# Altium PCB galileo_cleaned.PcbDoc (part 4 of 10) (continued)
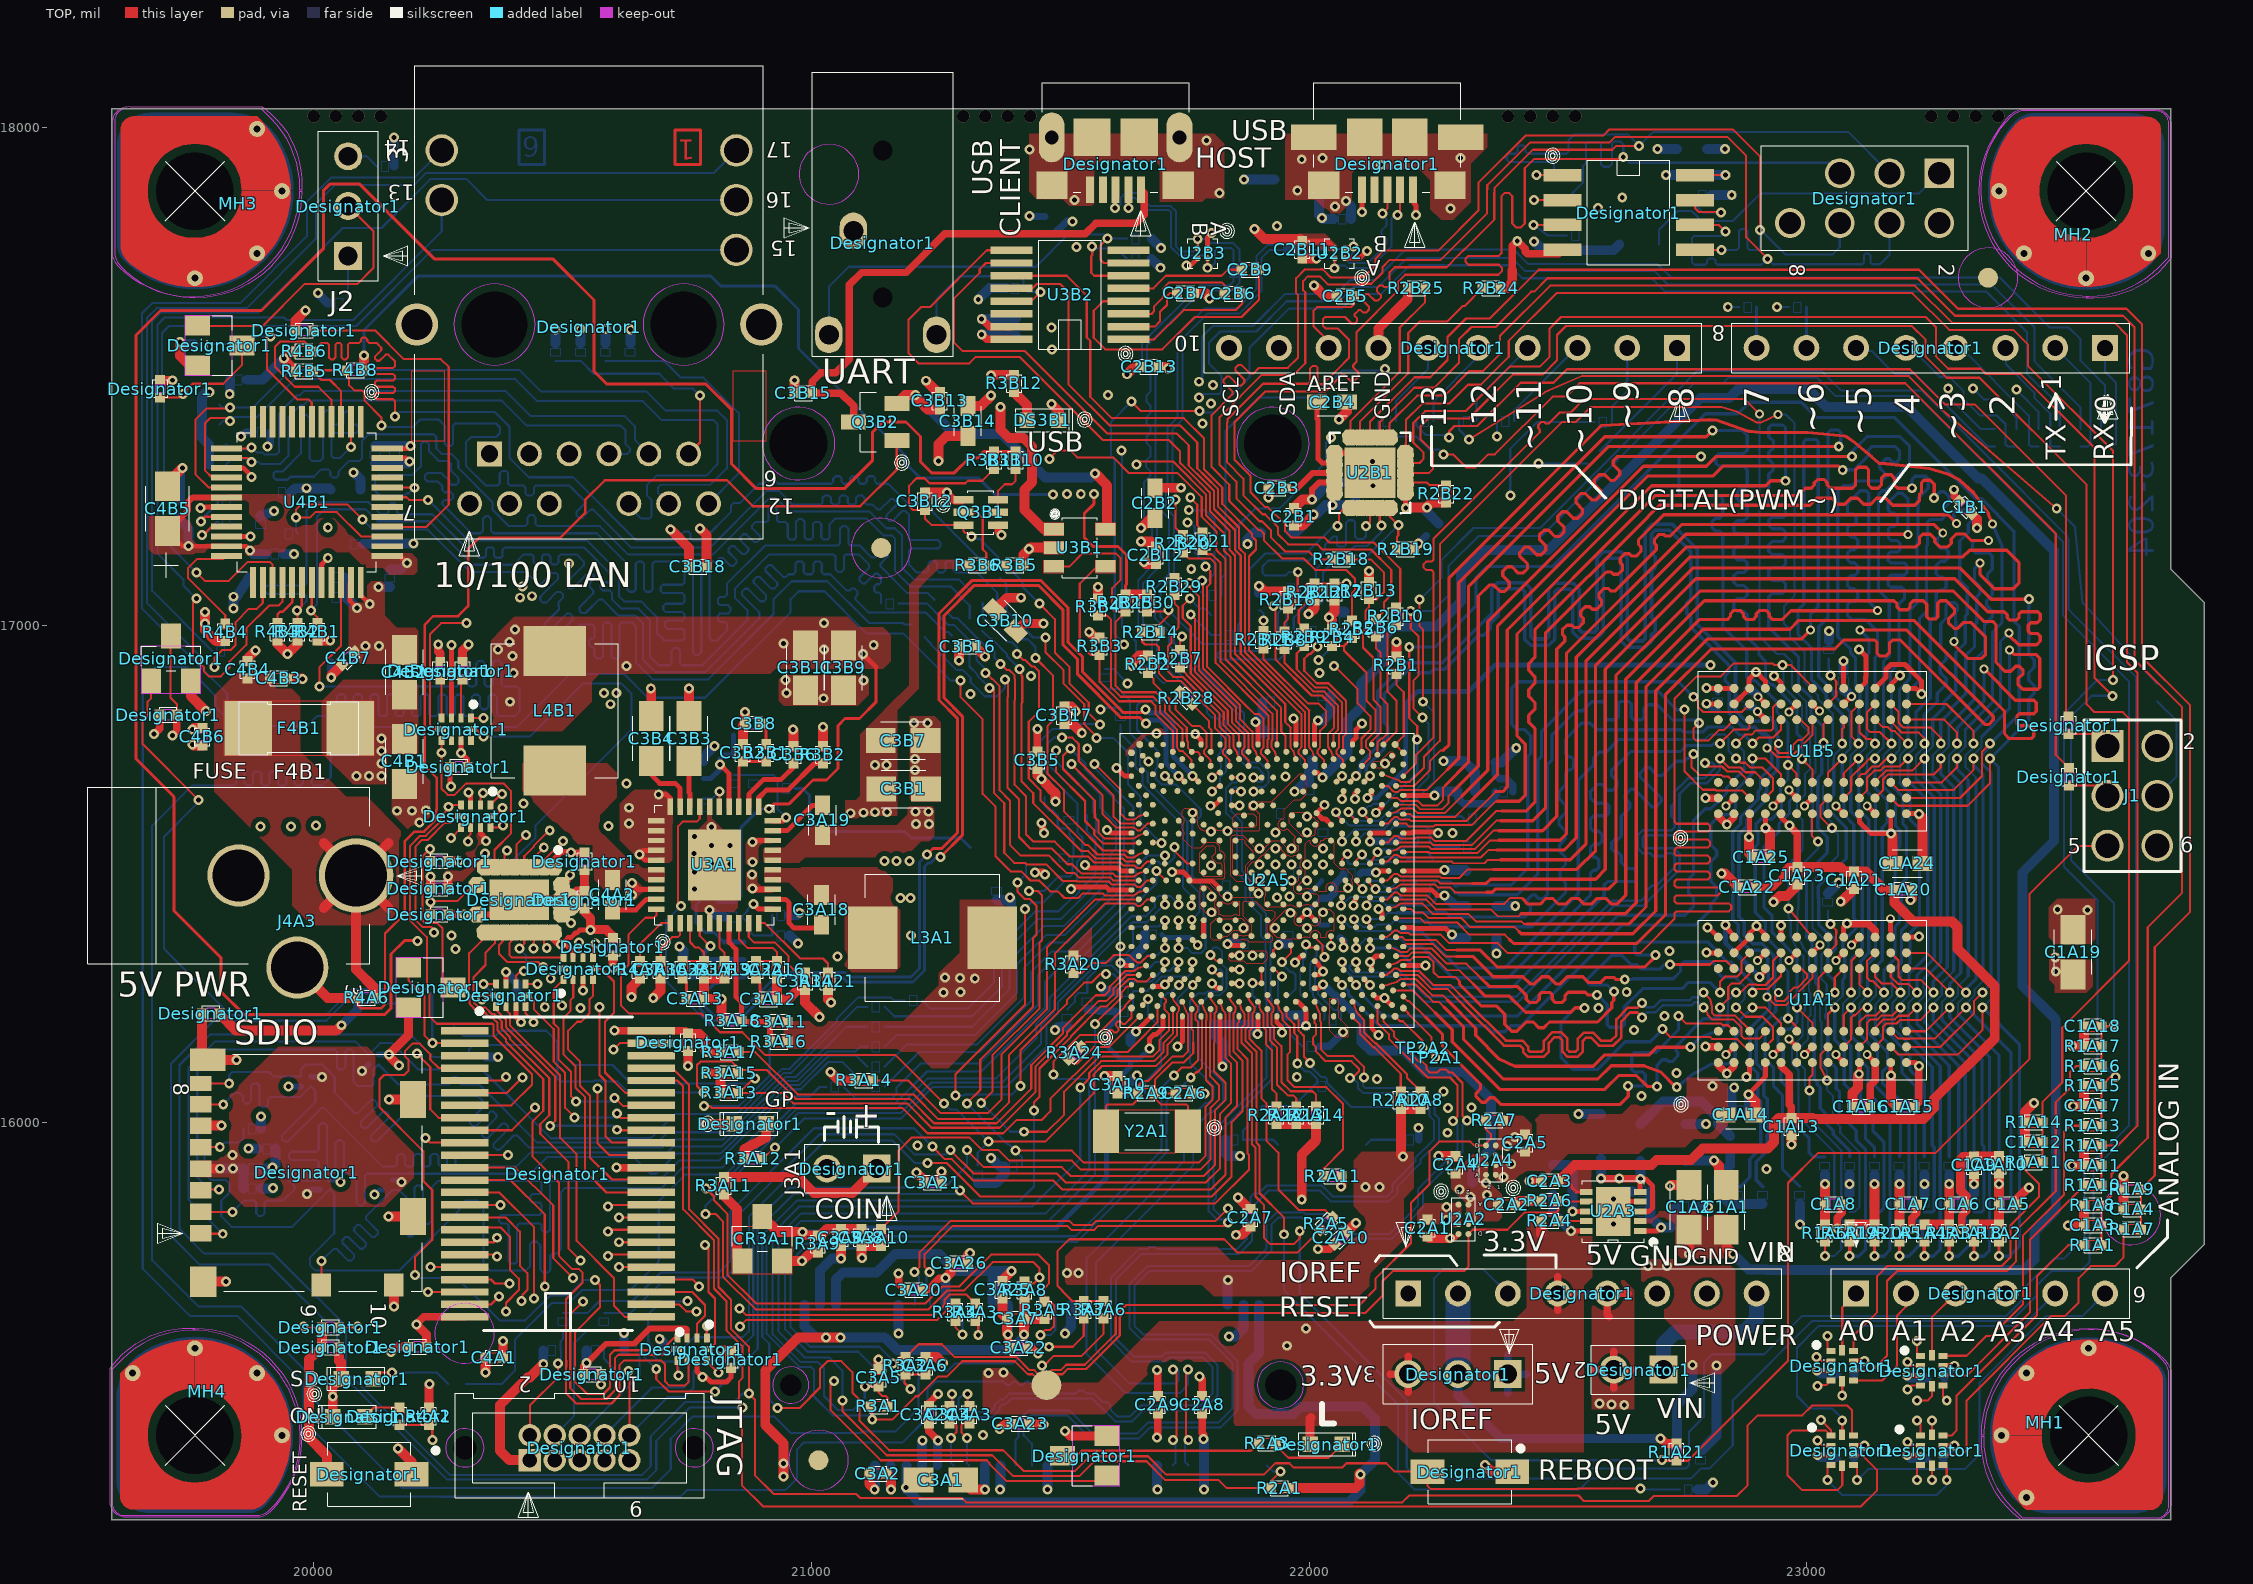
[diagram p0: TOP view]
## Nets (pads, with @x,y where several pads share a name; then routed paths per layer and width w, separated by ;. In a path a pad name is that pad's centre, name@x,y a point inside that pad or via, vN(x,y) a via of type N, cw(c..) or ccw(c..) an arc to the next point about the centre after c; other vN are vias at no path point) (continued)
  BOTTOM w10: v1(20122.19,15855.81) 20131.54,15865.16 U1L4.A1@20138.16,15865.16 ; v1(22798,16842) 22811,16829 C4M3.2@22821,16829
  BOTTOM w12: v1(19949,16073) U1L3.A1@19974.16,16073.16 ; U1L1.A1@20031.84,15885.84 20049.16,15885.84 v1(20054,15881) ; U1L2.A1@20129.84,16136.84 v1(20150.84,16136.84)
  BOTTOM w15: v1(19907,17359) 19912,17364 C1M13.2@19912,17388 ; C2M10.2@21469,17786 21488,17786 21513,17811 v1(21524,17811) ; v1(21970,16666) 21989,16685 C3M2.2@22000,16685 ; R3L13.2@22021,16154 22040,16154 v1(22068,16182) ; C3L14.2@22062.75,16372.25 22069,16366 v1(22069,16352) ; C3L21.2@22103,16500 22106,16503 v1(22134,16503) ; v1(22122.2,16565) 22127.59,16565 22128.09,16565.5 22175.5,16565.5 R3L6.2@22184,16574 ; C3L6.2@22220,15966 v1(22220,15990) ; v1(22220,17164) C3M13.2@22235.25,17179.25 ; C3M4.2@22374,16724 22374,16700 22382.99,16691.01 22395.99,16691.01 22409,16678 C3M3.2@22409,16665 ; C4M2.2@22880,16871 22882.5,16868.5 22893.11,16868.5 22902,16859.61 v2(22902,16856)
  BOTTOM w18: R9.2@20161,17922 v1(20161,17980) ; 21253.57,15311.58 21253.57,15361.57 v1(21254,15362) ; v1(23020,15502.16) 23021.16,15502.16 23028.31,15495 23060,15495 ; v1(23021.16,15332.16) 23026.31,15327 23060,15327 ; v1(23201.16,15332.16) 23208.31,15325 23239,15325 ; v1(23201.16,15492.16) 23206.31,15487 23241,15487
  BOTTOM w20: C1M3.2@19731,17251.5 19731,17311 v1(19736,17316) ; v1(19731,17569) 19735,17565 R1M12.2@19759,17565 ; C1M14.2@19866,17493 19897,17493 v1(19940,17536) ; C1L1.2@19894,15868 19917,15868 v1(19918,15869) ; C1L2.2@19894,15908 19915,15908 v1(19917,15910) 19923,15916 C1L3.2@19923,15948 ; R1L11.2@19894,15988 v1(19894,16013) ; C1M5.2@19939,17143 v1(19960,17143) ; C1M2.2@20062,17096 C1M1.2@20062,17056 20065,17056 v1(20087,17034) ; v1(20080,17307) 20094,17293 R1M6.1@20094,17272 ; C1M6.2@20099,17163 20114,17164 v1(20200,17164) ; C1M9.2@20123,17325 C1M10.2@20163,17325 20188,17325 v1(20192,17329) ; v1(20130,17077) C1M4.2@20153,17077 ; C1M11.2@20536,17566 v1(20536,17595) ; v1(20548,15517) R1L2.2@20548,15543 ; C1M12.2@20586,17566 v1(20586,17595) ; v1(20735,16354) 20743,16346 C2L2.2@20743,16328 ; R2M6.2@20783,16727 20783,16735 v1(20805,16757) ; v1(20795,16428) 20814,16414 C2L7.2@20825,16414 ; R2L16.2@20956,16376 20957,16376 v1(20973,16360) ; 21017.35,15634.42 21017.35,15703.44 21040.91,15727 v1(21059,15727) ; v1(21127,15263) 21127.59,15263.59 21127.59,15311.58 ; 21174.83,15634.42 21174.83,15577.17 v1(21175,15577) ; 21222.08,15311.58 21222.08,15361.08 v1(21223,15362) ; v1(21269,15688) 21269.32,15687.68 21269.32,15634.42 ; R2L3.2@21334,15879 21371,15879 21388,15896 R2L2.2@21388,15912 21378,15912 v1(21361,15929) ; v1(21335,17654) 21358,17677 C2M8.2@21391,17677 ; v1(21342,17615) 21385,17615 21386,17616 C2M4.2@21411,17616 ; 21348.06,15311.58 21348.06,15263.94 v1(21349,15263) ; C2L10.2@21372,16448 21394,16448 v1(21399,16453) 21401,16451 21401,16421 C2L5.2@21386,16406 ; v1(21379,15263) 21379.56,15263.56 21379.56,15311.58 ; v1(21395,15575) 21395.31,15575.31 21395.31,15634.42 ; v1(21474,15263) v1(21474,15263) 21474.05,15311.58 ; v1(21489,16186) 21496,16193 R2L11.2@21514,16193 ; v1(21509,15577) 21521.3,15589.3 21521.3,15634.41 ; v1(21581.45,16273.9) 21591.35,16264 C2L1.2@21611,16264 ; v1(21621,16321) 21634.77,16321 21669,16355.23 C3L13.2@21669,16378 ; C3L8.2@21641,16161 21641,16172 v1(21652,16183) ; C2M2.2@21683.32,17735.68 v1(21701,17718) ; C2M9.2@21684.32,17775.68 v1(21702,17758) ; 21694.52,15311.58 21694.52,15263.48 v1(21695,15263) ; v1(21788,15365) 21789.01,15363.99 21789.01,15311.58 ; v1(21789,15263) 21789,15311.57 ; v1(21826,16113) 21826,16160 21812,16174 C3L9.2@21812,16197 C3L10.2@21852,16197 R3L3.2@21893,16197 21893,16181 v1(21896,16178) ; C3L5.2@21832,15966 21832,15938 21837,15933 v1(21861,15933) ; v1(21839,15571) 21852,15571 21867.8,15586.8 21867.75,15586.85 21867.75,15634.42 ; v1(21869,17895) C3M11.2@21930,17895 ; v1(21876,17163) 21876,17173 21889,17186 C3M9.2@21903,17186 ; C3M7.2@21906,16846 21906,16819 v1(21892,16805) 21907,16790 C3M6.2@21907,16782 ; R3L14.2@21955,16216 R3L10.2@21989,16216 21989,16200 v1(21994,16195) ; C3M2.2@22000,16685 22000,16705 22008,16713 C3M5.2@22008,16730 ; v1(22006,17252) 22040,17286 C3M10.2@22093,17286 ; v1(22018,16808) 22027,16808 22043,16824 C3M8.2@22043,16859 ; v1(22040,17015) 22052,17027 R3M7.2@22071,17027 ; v1(22074,17852) 22084,17842 C3M12.2@22084,17816 ; C3M4.2@22374,16724 22386.36,16724 22398.69,16736.33 v1(22416,16753) ; v1(22376,16340) C3L12.2@22376,16371 ; C3L16.2@22376,16436 v1(22414,16436) ; C3L2.2@22490,15915 22520,15915 22529,15906 v1(22529,15822) ; v1(22541,16018) C3L4.2@22586,16018 ; v1(22611,15797) 22636,15822 C3L1.2@22651,15822 ; v1(22611,15847) 22626,15862 R3L1.2@22651,15862 ; v1(22700,17957) C4M6.2@22739,17957 ; v1(22717,17904) C4M5.2@22746,17904 ; C3L3.2@22756,15923 22757,15924 v1(22813,15924) ; C3L7.2@22756,15998 v1(22797,15998) ; C4L1.2@22780,15263 22797,15263 v1(22811,15277) ; v1(22883,16057) 22883.4,16056.6 22883.4,16042.03 22884,16041.43 C4L3.2@22884,16024 ; R4L19.1@23042,16461 v1(23064,16483) ; R4M1.1@23044,16968 v1(23044,16988) ; C4M4.1@23074,16905 v1(23074,16928)
  other v1: 21345,15373 22919,15907 22397,15953 21213,15954 22413,15971 22278,15980 22279,16030 22326,16031 22668,16054 22270,16063 22136,16088 21975,16092 22738,16100 22061,16108 22653,16186 22714,16215 22581,16231 22638,16263 21052,16334 21860.33,16336.26 21886.33,16336.26 22724,16345 21621,16354 21200,16376 21836,16391 21868,16391 21931,16391 21996,16391 21962,16422 22028,16423 23564,16428 23504,16429 21179,16452 21199,16452 21836,16455 21898,16461 20765,16470 22078,16471.7 21996,16487 20765,16504 21932,16519 21996,16519 22028,16519 20836,16520 20799,16521 21147,16526 21171,16526 21197,16526 20764,16541 21900,16551 21964,16551 22028,16551 20799,16557 20836,16557 20765,16575 22288,16582 21932,16583 21803,16585 21836,16586 20799,16594 20633,16601 20212,16603 21765.8,16623 20167,16627 20197,16627 20225,16628 20633,16633 21888.33,16637.74 21709.8,16696.91 21208,16709 22152,16722 21677,16726 21208,16731 21554,16752 21693,16782 21206,16803 21233,16803 21024,16853 21319,16862 20950,16864 21104,16889 20948,16890 21441,16898 22021,16904 20104,16958 20131,16958 20414,17055 20438,17058 20419,17078 21763,17113 20513,17124 22128,17280 22127,17329 21786,17405 21803,17445 21596,17462 21807,17482 21532,17760 21935,17802 22284,17837 22052,17841 21528,17854 21820,17868 21976,17873 22144,17925 21985,17936 22027,17939 22304,17939 21438,17956 21794,17974
GP_LED: R3A12.1 | length 96.6
  TOP w20: R3A12.1@20865,15928 20865,15947.16 20909,15970.16 20909,15998
GPIO1_R: R2B29.2 U2A5.N34 | length 388.9
  TOP w4: 21820,16811 21820,16795.29 21839.98,16775.31 U2A5.N34@21839.98,16745.41
  TOP w4.2: R2B29.2@21729,17060 21729,17044 21737,17036 21737,16995 21723,16981 21723,16964 21716,16957 21716,16907 21726.9,16896.1 21745.5,16896.1 21820,16821.6 21820,16811
GPIO3_R: R3M13.2 U2A5.R35 | length 402.3
  TOP w4: 21836.4,16811 21836.4,16801.54 21858.97,16778.97 21858.97,16771.82 U2A5.R35@21858.99,16760.07
  TOP w4.2: v1(21760,17053) 21745.9,17038.9 21745.9,17014.33 21762,16998.23 21762,16902.8 21836.4,16828.4 21836.4,16811
  BOTTOM w4.2: v1(21760,17053) 21780,17033 21790,17033 R3M13.2@21803,17020
GPIO_INT_IO2: R3M10.1 | length 2597.9
  TOP w4.2: 20317,16791 20326,16791 v1(20341,16776) ; 20344.1,16513.5 v1(20344.1,16541)
  LYR_2 w6.5: v1(20341,16776) 20368,16803 20434,16803 20617,16986 20885,16986 21069,17170 21285,17170 21326,17211 21584,17211 21604,17231 v1(21758,17231)
  BOTTOM w4.2: v1(20341,16776) 20434,16776 20541,16883 20617.67,16883 20638,16862.67 20638,16790 20445,16597 20445,16572 20401,16528 20357.1,16528 v1(20344.1,16541) ; v1(21758,17231) 21759,17230 21792,17230 21810,17212 R3M10.1@21810,17182
GPIO_INT_IO2_R: R3M10.2 U2A5.U33 | length 477.6
  TOP w4: 21861,16817 21861,16810.9 21885.99,16785.91 21885.99,16755.33 21888.84,16750.7 21892.04,16746.7 U2A5.U33@21897,16730.74
  TOP w4.2: v1(21785,17090) 21786.6,17088.4 21786.6,16913 21861,16838.6 21861,16817
  BOTTOM w4.2: v1(21785,17090) 21796,17090 21810,17104 R3M10.2@21810,17147
GPIO_INT_IO3: R3M14.1 | length 2177.4
  TOP w4.2: 20256.47,16768.5 v1(20256.47,16743.53) 20256.47,16671.53 20269,16659 20283,16659 20306,16682 20381,16682 20396,16667 20396,16636.77 20395.9,16636.67 20395.9,16623.33 20396,16623.23 20396,16581 20363,16548 20363,16514.29 20363.79,16513.5
  LYR_2 w6.5: v1(20256.47,16743.53) 20256,16743.06 20277.06,16722 20383,16722 20620,16959 20878,16959 21044,17125 21531,17125 21622,17216 21692,17216 21702,17206 v1(21755,17206)
  BOTTOM w4.2: v1(21755,17206) 21761.8,17206 21770,17197.8 R3M14.1@21770,17181
GPIO_INT_IO3_R: R3M14.2 U2A5.V32 | length 504
  TOP w4: 21878.1,16833.1 21890.2,16821 21899.63,16821 21908,16812.63 21908,16754.83 21907.94,16754.75 21905.14,16750.95 21902.74,16748.31 21902.74,16742.01 21905.89,16738.86 21907.1,16737.3 21916,16728.4 U2A5.V32@21916,16717.18
  TOP w4.2: v1(21792,17118) 21801.1,17108.9 21801.1,17083.33 21794.8,17077.03 21794.8,16916.4 21878.1,16833.1
  BOTTOM w4.2: R3M14.2@21770,17146 21792,17124 v1(21792,17118)
GPIO_SUS1_STATUS_LED: R3A12.2 U2A5.E12 | length 1078.8
  TOP w4.2: R3A12.2@20900,15928 v1(20927,15950) ; U2A5.E12@21709.8,16393 v1(21709.8,16406.8)
  BOTTOM w4.2: v1(20927,15950) 20986,16009 21180.6,16009 21243.6,16072 21391.01,16072 21472,16152.99 21472,16196 21495,16219 21495,16241.6 21577.6,16324.2 21600.2,16324.2 21613.9,16337.9 21627.67,16337.9 21627.77,16338 21629,16338 21646,16355 21646,16388.7 21652,16394.7 21697.7,16394.7 v1(21709.8,16406.8)
GPIO_SUS3_PCIE_RESET_N: R3A8.2 U2A5.E15 | length 2209.4
  TOP w4: v1(21709.8,16439) U2A5.E15@21709.8,16453
  TOP w4.2: v1(20787,15817) 20807,15817 20822,15802 20822,15691 20888,15625 21235,15625 21273.2,15663.2 21307.2,15663.2 21364,15720 21446,15720 21458,15708 v1(21458,15689) 21445.9,15676.9 21432.1,15676.9 R3A8.2@21428,15681
  BOTTOM w4.2: v1(20787,15817) 20787,15833 20973.8,16019.8 21179.8,16019.8 21241,16081 21383,16081 21461,16159 21461,16196.6 21486.8,16222.4 21486.8,16245 21605.3,16363.5 21605.5,16363.5 21644.9,16402.9 21673.7,16402.9 v1(21709.8,16439) ; v1(21458,15689) 21458.3,15688.7 21458.3,15634.42
GPIO_SUS4_W_DISABLE_N: R3A5.2 U2A5.G15 | length 2425.2
  TOP w4.2: v1(20788,15868) 20804,15852 20804,15844 20831,15817 20831,15695 20889,15637 21228.8,15637 21263.2,15671.4 21297.4,15671.4 21361,15735 21456,15735 21476.8,15714.2 21476.8,15676.8 21468,15668 R3A5.2@21468,15641 21480,15641 21486.8,15634.2 21486.8,15590.8 21480,15584 21470,15584 v1(21460,15574) ; v1(21737.8,16439) U2A5.G15@21737.8,16453
  BOTTOM w4.2: v1(20788,15868) 20810.4,15868 20970.4,16028 21172,16028 21233.2,16089.2 21371.2,16089.2 21451.61,16169.61 21451.61,16198.81 21478,16225.2 21478,16250 21643,16415 21672,16415 21690,16433 21690,16448 21698,16456 21720.8,16456 v1(21737.8,16439) ; v1(21460,15574) 21480.7,15574 21489.8,15583.1 21489.8,15634.42
I2C_MUX:  | length 4724.9
  TOP w4.2: 20303,15760 20362,15760 20368,15766 v1(20368,15769) ; v1(23028,15403) 23048.5,15382.5 23048.5,15371.53 23038.03,15382 22971,15382 22961,15372 22961,15292 22991,15262 23061,15262 23071,15272 23071,15311
  LYR_1 w6.5: v1(20368,15769) 20343,15769 20317,15743 20317,15639 20354,15602 20724,15602 20740,15586 20740,15527 20662,15449 20255,15449 20197,15391 20197,15342 20254,15285 20809,15285 20866,15342 21140,15342 21155,15327 22257,15327 22292,15292 22735,15292 22770,15327 22895,15327 22983,15415 23016,15415 v1(23028,15403)
I2C_SCL: Q1L2.2 R3A3.2 R3A15.2 U2A5.C7 | length 2791
  TOP w4: 21588.78,16256.23 21598.93,16266.38 21598.93,16273.55 21630.34,16304.96 21647.67,16304.96 21652.3,16307.81 21656.3,16311.01 21661.06,16312.48 U2A5.C7@21672.26,16315.97
  TOP w4.2: v1(20783,16061) 20770,16074 20770,16116 20777,16123 20840,16123 20852,16111 R3A15.2@20852,16100 20858,16106 20910,16106 20968,16048 21197,16048 21246,15999 21372,15999 21441.5,16068.5 21441.5,16115.73 21505.1,16179.33 21505.1,16190.1 21571.23,16256.23 21588.78,16256.23 ; v1(20855,15627) 20868,15614 21247,15614 21267,15634 21267,15644 21278,15655 21311,15655 R3A3.2@21329,15637
  LYR_1 w6.5: v1(20783,16061) 20785,16059 20805,16059 20816,16048 20816,15771 20837,15750 20837,15645 v1(20855,15627)
  BOTTOM w4.2: Q1L2.2@20282,16193 20301,16174 20364,16174 20375,16185 20467,16185 20489,16163 20489,16089 20495,16083 20561.23,16083 20563.33,16085.1 20576.67,16085.1 20578.77,16083 20610,16083 20632,16061 v1(20783,16061)
I2C_SDA: Q1L1.2 R3A4.2 R3A13.2 U2A5.B6 | length 2422.7
  TOP w4: 21585,16245 21593,16245 21606.93,16258.89 21606.93,16270.23 21633.66,16296.96 U2A5.B6@21657.59,16296.96
  TOP w4.2: v1(20856,15591) 20869,15604 21253,15604 21286,15637 R3A4.2@21289,15637 ; v1(20886,16089) 20884,16089 20854,16059 20851,16059 R3A13.2@20852,16060 20942,16060 20963,16039 21192,16039 21241,15990 21378,15990 21449.7,16061.7 21449.7,16112.34 21513.3,16175.93 21513.3,16181.3 21577,16245 21585,16245
  LYR_1 w6.5: v1(20856,15591) 20874,15609 20874,15796 20843,15827 20843,16046 v1(20886,16089)
  BOTTOM w4.2: Q1L1.2@20521,16116 20600,16116 20637,16079 20874,16079 20884,16089 v1(20886,16089)
INT:  | length 1575.3
  TOP w4.2: 19673,16888 19673,16853 19666,16846 19666,16818 19656,16808 19656,16761 v1(19768,16649) ; 20190,16312 20190,16287 20222,16255 20222,16176 v1(20238,16160) 20303,16160
  BOTTOM w4.2: v1(19768,16649) 19768,16644 19699,16575 19699,16350 19833,16216 20024,16216 20077,16269 20226,16269 20238,16257 v1(20238,16160)
INT_N_S0: R3M8.1 | length 3558.4
  TOP w4.2: 20234.5,16526 20233,16526 v1(20233,16550) 20218,16535 20218,16409.6 20218.4,16409.2 20218.4,16406.47 20222.87,16402 20247.18,16402 20258.5,16390.68 20258.5,16289.5 20276,16272 20280,16272
  LYR_1 w6.5: v1(20233,16550) 20252,16569 20252,16678.2 20282,16708.2 20336.2,16708.2 20475,16847 20475,16992 20651,17168 20928,17168 21176,17416 21415,17416 21554,17555 21773,17555 21813,17515 v1(22152,17515)
  BOTTOM w4.2: R3M8.1@21824,17060 21824,17095 21832,17103 21832,17391 21898,17457 22012,17457 22066.5,17511.5 22148.5,17511.5 v1(22152,17515)
INT_N_S3: R3M1.1 | length 3223.6
  TOP w4.2: 19713,16978 19712,16977 19712,16854 19725,16841 19725,16820
  TOP w15: v1(19716,16778) 19725,16787 19725,16820
  LYR_2 w6.5: v1(19716,16778) 19716,16802 19821,16907 19821,17194 19973,17346 19973,17424 20031,17482 20369,17482 20440,17411 20767,17411 20802,17446 21045,17446 21106,17385 21589,17385 v1(21623,17351)
  BOTTOM w4.2: v1(21623,17351) 21624,17350 21624,16995 21652,16967 21652,16938 21706,16884 R3M1.1@21709,16884
INT_S0_R: R3M8.2 U2A5.T34 | length 429.2
  TOP w4: 21852.8,16813 21852.8,16807.78 21877.99,16782.59 U2A5.T34@21877.99,16745.41
  TOP w4.2: v1(21759,17085) 21759,17077 21778.4,17057.6 21778.4,16909.6 21852.8,16835.2 21852.8,16813
  BOTTOM w4.2: v1(21759,17085) 21764,17085 R3M8.2@21789,17060
IO0: R4M7.1 | length 4470
  TOP w4.2: 20356,16616 20364,16616 20379,16631 v1(20379,16633)
  LYR_2 w6.5: v1(20379,16633) 20381,16631 20389,16631 20413,16607 20448,16607 20504,16663 20661,16663 20683,16641 20848,16641 20873,16666 21560,16666 21590,16696 21590,16746 21606,16762 21606,16850 21596,16860 21596,16990 21830,17224 21830,17334 21829,17334 21743,17420 21743,17453 v1(21779,17489)
  BOTTOM w4.2: v1(21779,17489) 21785,17495 21785,17518.92 21784.8,17519.12 21784.8,17573.88 21785,17574.08 21785,17580 21806,17601 21887,17601 21950.93,17664.93 22054.3,17664.93 22082.77,17693.4 22132.13,17693.4 22193.73,17755 22410.4,17755 22440,17725.4 22699.87,17725.4 22713.65,17711.65 22726.9,17698.4 23387.6,17698.4 23488,17598 23526,17598 23550,17574 23550,17531 23599,17482 23599,17440 23591,17432 R4M7.1@23591,17394
IO0_GPIO:  | length 886.3
  TOP w4.2: v1(20207,16139) 20234,16112 20234,16027 20251,16010 20303,16010 ; 20334.84,16638.5 20334.84,16657.84 v1(20340,16663)
  LYR_2 w6.5: v1(20207,16139) 20206,16140 20206,16246 20181,16271 20181,16384 20185,16388 20185,16545 20249,16609 20249,16643 20262,16656 20288,16656 20305,16639 20323,16639 20340,16656 v1(20340,16663)
IO0_MUX:  | length 1588.7
  TOP w4.2: 20354.53,16638.5 20378,16661.97 v1(20378,16661) ; v1(20570,16069) 20570,15959 20594,15935 20678,15935
  LYR_1 w6.5: v1(20592,16596) 20592,16646 v1(20628,16682)
  LYR_2 w6.5: v1(20378,16661) 20403,16636 20403,16634 20413,16624 20449,16624 20507,16682 v1(20628,16682) ; v1(20570,16069) 20763,16069 20776,16082 20802,16082 20812,16092 20812,16206 20851,16245 20851,16347 20808,16390 20737.63,16390 20736.53,16391.1 20731.9,16391.1 20703,16420 20703,16467 20662,16508 20641,16508 20622.5,16526.5 20622.5,16565.5 v1(20592,16596)
IO0_R: R4M7.2 | length 233.6
  BOTTOM w4.2: R4M7.2@23591,17359 23615,17359 23621,17365 23621,17487 23599,17509 23599,17557
IO1: R4M8.1 | length 4743.9
  TOP w4.2: v1(20276,16572) 20295.47,16591.47 20295.47,16593.5
  LYR_2 w6.5: v1(20276,16572) 20304,16600 20352,16600 20374,16578 20401,16578 20425,16554 20431,16554 20465,16520 20527,16520 20537,16530 20537,16573 20524.49,16585.51 20524.49,16624.51 20550.97,16651 20656.03,16651 20678.03,16629 20852.97,16629 20877.97,16654 21324.97,16654 21353.97,16625 21561,16625 21633,16697 21633,16749.03 21618,16764.03 21618,16854.97 21609,16863.97 21609,16986 21848.5,17225.5 21848.5,17442 21826.5,17464 21786,17464 v1(21779,17457)
  BOTTOM w4.2: v1(21779,17457) 21786,17464 21818,17464 21824,17470 21824,17500 21799,17525 21799,17568 21802.9,17571.9 21802.9,17571.96 21820.94,17590 21894,17590 21954.73,17650.73 22060.19,17650.73 22088.66,17679.2 22138.02,17679.2 22196.82,17738 22407.31,17738 22434.11,17711.2 22693.99,17711.2 22704.6,17700.6 22721,17684.2 23371.8,17684.2 23457,17599 23457,17530 23550,17437 R4M8.1@23550,17394
IO1_GPIO:  | length 943.3
  TOP w4.2: 20295.47,16638.5 20274.5,16638.5 v1(20271,16635) 20271,16632 20254.6,16615.6 20254.6,16605.85 20225.15,16576.4 20213.4,16576.4 20193,16556 20193,16407 20227,16373 20227,16266 20232,16261 20232,16214 20247,16199 20359.21,16199 20361,16197.21 20361,16175 20438,16098 20438,16076 20397,16035 20303,16035
IO1_MUX:  | length 1161.2
  TOP w4.2: v1(20241,16382) 20241,16388.8 20236.8,16393 20219,16393 20204,16408 20204,16555 20217.2,16568.2 20228.55,16568.2 20262.34,16602 20274,16602 20288,16616 20294,16616 ; v1(20574,16233) 20574,16096 20586,16084 20586,16075.77 20586.1,16075.67 20586.1,16062.33 20586,16062.23 20586,15973 20599,15960 20678,15960
  LYR_2 w6.5: v1(20241,16382) 20241,16277 20287.8,16230.2 20346.2,16230.2 20378,16262 20441.6,16262 20442.35,16261.25 20450.13,16261.25 20450.57,16260.81 20450.75,16261 20451.38,16261 20451.63,16261.25 20456.65,16261.25 20458.35,16262.95 20467.62,16263.3 20480.55,16263.3 20482.6,16261.25 20487.75,16261.25 20488,16261 20509,16261 20522,16248 20528.6,16248 20528.85,16248.25 20543.15,16248.25 20543.4,16248 20559,16248 v1(20574,16233)
IO1_R: R4M8.2 | length 244.5
  BOTTOM w4.2: 23499,17557 23570,17486 23570,17364 23565,17359 R4M8.2@23550,17359
IO2: R4M9.1 | length 5158.6
  TOP w4.2: 20730.47,15522.5 20730.47,15494.53 v1(20733,15492) ; v1(21642.7,17449.3) 21662,17430 v1(21780,17430)
  LYR_2 w6.5: v1(20751,15642) 20713,15680 20713,15869 20844,16000 20844,16080 20901,16137 21294,16137 21657,16500 21657,16748 21665,16756 21723,16756 21746,16779 21746,16904 21689,16961 v1(21628,16961)
  BOTTOM w4.2: v1(20733,15492) 20733,15510 20723,15520 20694,15520 20682,15532 20682,15550 20672,15560 20672,15615 20698,15641 20750,15641 v1(20751,15642) ; v1(21628,16961) 21628,16963 21609.2,16981.8 21609.2,17331.8 21602,17339 21602,17408.6 v1(21642.7,17449.3) ; v1(21780,17430) 21782.56,17427.44 21809.44,17427.44 21880,17498 21880,17557 21959.53,17636.53 22066.08,17636.53 22094.55,17665 22143.91,17665 22201.91,17723 22402.22,17723 22428.22,17697 22688.09,17697 22715.09,17670 23361,17670 23442,17589 23442,17505.21 23468.21,17479 23470,17479 23508,17441 R4M9.1@23508,17394
IO2_INTC:  | length 1676.1
  TOP w4.2: v1(20203,15694) 20203,15730 20238,15765 20238,15865 20220,15883 20220,15943 20132,16031 20132,16087 20141,16096 20182,16096 20190,16104 20190,16127 20183,16134 20183,16144 20198,16159 20213,16159 20234,16138 20234,16127 20251,16110 20303,16110 ; v1(20565,15684) 20575,15674 20575,15629 20525,15579 20525,15479 20549,15455 20582,15455 20595,15468 20595,15534 20604,15543 20699,15543 20723.5,15567.5 20730.47,15567.5
  BOTTOM w4.2: v1(20203,15694) 20209,15688 20288,15688 20373,15603 20425,15603 20475,15653 20511,15653 20542,15684 v1(20565,15684)
IO2_MUX:  | length 894.8
  TOP w4.2: 20303,15810 20385,15810 20414,15781 20414,15713 20429,15698 20429,15664 20419,15654 20419,15644 v1(20417,15642) ; v1(20541,15641) 20515.2,15615.2 20515.2,15526.17 20515.3,15526.07 20515.3,15505.93 20515.2,15505.83 20515.2,15466.8 20537,15445 20588,15445 20605,15462 20605,15527 20612,15534 20711,15534 20722,15545 20729,15545
  LYR_1 w6.5: v1(20417,15642) 20430,15629 20529,15629 v1(20541,15641)
IO2_R: R4M9.2 | length 252.5
  BOTTOM w4.2: 23399,17557 23400,17556 23400,17524 23457,17467 23457,17457 23489,17425 23489,17362 23492,17359 R4M9.2@23508,17359
IO3: R4M10.1 | length 3995.4
  TOP w4.2: v1(20786,15754) 20793,15747 20793,15660 20806,15647 20806,15555.77 20800.9,15550.67 20800.9,15549.9 20796,15545 20791,15545
  LYR_2 w6.5: v1(20786,15754) 20787,15755 20805,15755 20861,15811 21513,15811 21682,15980 22117,15980 22234,16097 22351,16097 22475,16221 22475,16707 23006,17238 23025,17238 23110,17323 23110,17346 23269,17505 23389,17505 v1(23421,17473)
  BOTTOM w4.2: v1(23421,17473) 23442.8,17451.2 23442.8,17451.12 23465,17428.92 R4M10.1@23465,17394
IO3_MUX:  | length 708.9
  TOP w4.2: 20303,15785 20308,15790 20375,15790 20394,15771 20394,15705 20412,15687 20412,15664 20386,15638 v1(20386,15621) ; 20789.53,15567.5 v1(20789.53,15591.53)
  LYR_1 w6.5: v1(20386,15621) 20391,15616 20739,15616 20763.47,15591.53 v1(20789.53,15591.53)
IO3_PWM:  | length 192
  TOP w4.2: 20678,15660 20760,15660 20786,15634 20786,15612 20769.84,15595.84 20769.84,15567.5
IO3_R: R4M10.2 | length 282
  BOTTOM w4.2: 23299,17557 23310,17557 23446,17421 23446,17363 23450,17359 R4M10.2@23465,17359
IO4_GPIO: R4M11.1 | length 4874.4
  TOP w4.2: 20303,15735 20364,15735 v1(20368,15731)
  LYR_1 w6.5: v1(20368,15731) 20425,15731 20465,15771 20465,15885 20586.1,16006.1 20586.1,16058.1 20626,16098 20626,16211 20656,16241 20656,16260 20687,16291 21178,16291 21239,16230 21609,16230 21623,16216 22419,16216 22541,16338 22541,17199 22425,17315 22425,17336 22446,17357 22998,17357 23063,17422 23281,17422 v1(23334,17475)
  BOTTOM w4.2: v1(23334,17475) 23356,17453 23385,17453 23421,17417 R4M11.1@23421,17394
IO4_GPIO_R: R4M11.2 | length 337.4
  BOTTOM w4.2: 23199,17557 23209,17557 23267,17499 23286,17499 23315,17470 23315,17454 23348,17421 23382,17421 23399,17404 23399,17363 23403,17359 R4M11.2@23421,17359
IO5_GPIO_PWM: R4M12.1 | length 3804.3
  TOP w4.2: 20678,15635 20734,15635 20748,15621 v1(20769,15621)
  LYR_2 w6.5: v1(20769,15621) 20802,15621 20939,15758 21182,15758 21211,15787 21754,15787 21836,15869 22011,15869 22073,15931 22100,15931 22251,16082 22365,16082 22493,16210 22493,16701 23008,17216 23025,17216 v1(23284,17475)
  BOTTOM w4.2: v1(23284,17475) 23284,17459 23349,17394 R4M12.1@23378,17394
IO5_GPIO_PWM_R: R4M12.2 | length 361.1
  BOTTOM w4.2: 23099,17557 23105,17551 23130,17551 23138.8,17542.2 23138.8,17542.12 23165.8,17515.12 23172.91,17508 23175.92,17505 23217,17505 23363,17359 R4M12.2@23378,17359
IO6_GPIO_PWM: R1B2.1 | length 4590.6
  TOP w4.2: 20303,15635 20356,15635 v1(20372,15651)
  LYR_1 w6.5: v1(20372,15651) 20338,15685 20338,15737 20352,15751 20401,15751 20433,15783 20433,15874 20547.23,15988.23 20547.23,16069 20554,16075.77 20554,16089 20584,16119 20584,16191 20614,16221 20614,16259 20657,16302 21185,16302 21245,16242 21618,16242 21632,16228 22402,16228 22520,16346 22520,17195 22406,17309 22406,17342 22441,17377 22685,17377 22845,17537 22845,17575 22909,17639 v1(22940,17639)
  BOTTOM w4.2: v1(22940,17639) R1B2.1@22964,17639
IO6_GPIO_PWM_R: R1B2.2 | length 82
  BOTTOM w6: 22999,17557 R1B2.2@22999,17639
IO7_GPIO: R1B1.1 | length 4333.7
  TOP w4.2: v1(20234,15710) 20303,15710
  LYR_1 w6.5: v1(20234,15710) 20323,15799 20392,15799 20401,15808 20401,15862 20500,15961 20500,16066 20571,16137 20571,16201 20601,16231 20601,16266 20649,16314 21206,16314 21209,16317 21342,16317 21405,16254 21598,16254 21628,16284 21671,16284 21711,16244 21930,16244 21942,16256 22128,16256 22156,16284 22273,16284 22379,16390 22379,17336 22434,17391 22670,17391 22817,17538 22817,17574 22841,17598 v1(22841,17639)
  BOTTOM w4.2: v1(22841,17639) R1B1.1@22864,17639
IO7_GPIO_R: R1B1.2 | length 82
  BOTTOM w6: 22899,17557 R1B1.2@22899,17639
IO8_GPIO: R3M21.1 | length 3970.1
  TOP w4.2: 20303,15685 20356,15685 20364,15677 v1(20393,15677)
  LYR_1 w6.5: v1(20393,15677) 20417,15677 20482,15742 20482,15884 20560,15962 20620,15962 20640,15982 20640,16183 20736,16279 21164,16279 21227,16216 21587,16216 21598,16205 21955.97,16205 22007.97,16153 22169,16153 22200,16184 22414,16184 22560,16330 22560,17226 v1(22461,17325)
  BOTTOM w4.2: v1(22461,17325) R3M21.1@22559,17325
IO8_GPIO_R: R3M21.2 | length 271.6
  BOTTOM w4.2: R3M21.2@22583.75,17349.75 22739,17505 22739,17557